# Altium PCB high-spped-thermocouple-logger.PcbDoc (part 2 of 3)
Units mm, origin at the board's own origin, x right, y up, seen from the top; angles counter-clockwise.
Board outline 200 x 200 mm, 4 copper layers (Top Layer, GND Layer, VCC Layer, Bottom Layer), stack 1.55 mm thick; 351 components, 201 nets, 1016 pads, 288 vias.
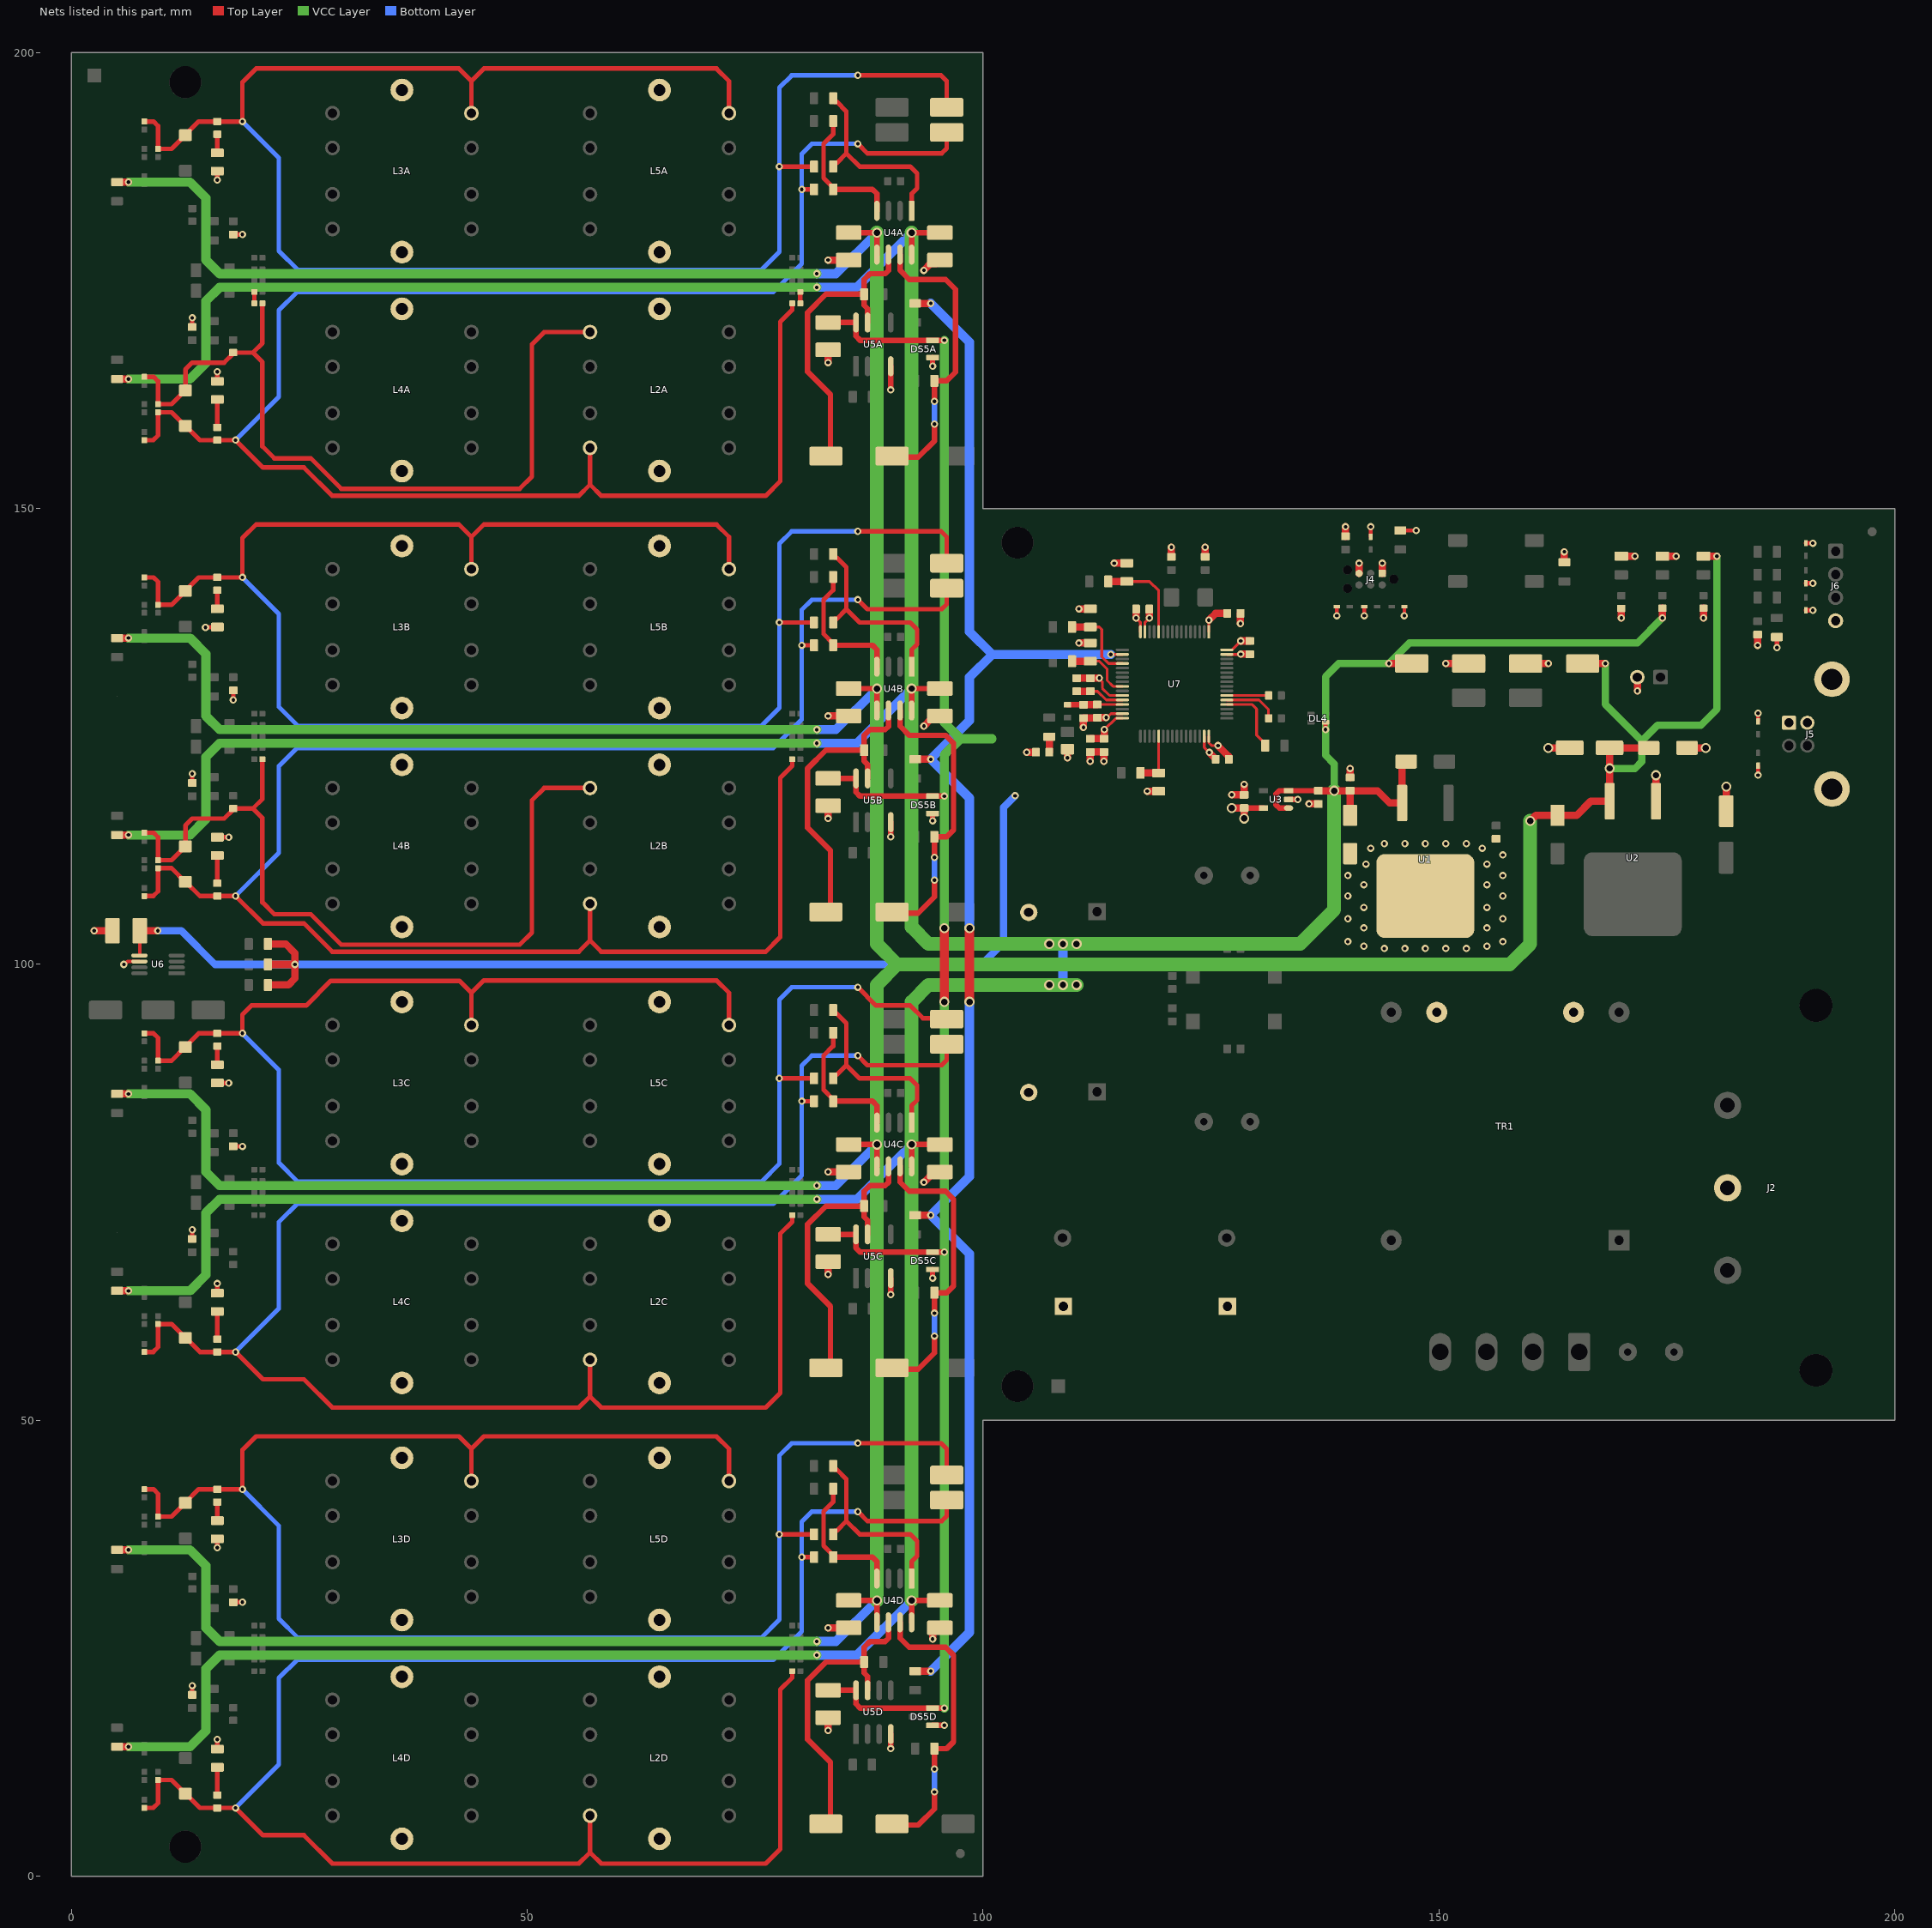
[diagram p4: the nets of this part, all layers, seen from the top]

## Footprints (in the part's own frame and the unit in brackets; to place one, negate y for a bottom-side part, rotate by r counter-clockwise, add the part's x,y. Pads: shape width x height; smd on the part's side, far side on the other; paste and mask are expansions set on the pad) (continued)
TC_PCC-SMD [mm] "SMD universal thermocouple connector"
  round 0.025 smd paste-2539.97 mask+0.102: 1(4.405,0) 2(-4.405,0)
  rect 2.7x1.5 on Top Paste: ""(-5.335,-1) ""(5.335,-1)
  rect 2.7x1.5 on Top Paste mask+0: ""(-5.335,1) ""(5.335,1)
  rect 1.65x1.95 on Top Paste: ""(-4.81,3.225) ""(-4.81,-3.225) ""(-2.66,3.225) ""(-2.66,-3.225) ""(2.66,3.225) ""(2.66,-3.225) ""(4.81,3.225) ""(4.81,-3.225)
  rect 1.65x1.5 on Top Paste: ""(-2.66,1) ""(-2.66,-1) ""(2.66,1) ""(2.66,-1)
  Top Layer region: 1.6,-4.5 1.6,4.5 5.87,4.5 5.87,2.16 7.21,2.16 7.21,-2.16 5.87,-2.16 5.87,-4.5
  Top Layer region: -1.6,-4.5 -1.6,4.5 -5.87,4.5 -5.87,2.16 -7.21,2.16 -7.21,-2.16 -5.87,-2.16 -5.87,-4.5
  Keep-Out Layer board cut-out: 5.7,-1.225 5.7,1.225 5.73,1.378 5.817,1.508 5.947,1.595 6.1,1.625 6.1,1.625 6.3,1.625 6.453,1.595 6.583,1.508 6.67,1.378 6.7,1.225 6.7,1.225 6.7,-1.225 6.67,-1.378 6.583,-1.508 6.453,-1.595 6.3,-1.625 6.3,-1.625 6.1,-1.625 5.947,-1.595 5.817,-1.508 5.73,-1.378 5.7,-1.225
  Keep-Out Layer board cut-out: -6.7,-1.225 -6.7,1.225 -6.67,1.378 -6.583,1.508 -6.453,1.595 -6.3,1.625 -6.3,1.625 -6.1,1.625 -5.947,1.595 -5.817,1.508 -5.73,1.378 -5.7,1.225 -5.7,1.225 -5.7,-1.225 -5.73,-1.378 -5.817,-1.508 -5.947,-1.595 -6.1,-1.625 -6.1,-1.625 -6.3,-1.625 -6.453,-1.595 -6.583,-1.508 -6.67,-1.378 -6.7,-1.225
  Keep-Out Layer board cut-out: -6.09,5.17 -6.09,5.87 -6.06,6.023 -5.973,6.153 -5.843,6.24 -5.69,6.27 -5.69,6.27 -2.49,6.27 -2.337,6.24 -2.207,6.153 -2.12,6.023 -2.09,5.87 -2.09,5.87 -2.09,5.17 -2.12,5.017 -2.207,4.887 -2.337,4.8 -2.49,4.77 -2.49,4.77 -5.69,4.77 -5.843,4.8 -5.973,4.887 -6.06,5.017 -6.09,5.17
  Keep-Out Layer board cut-out: 2.09,5.17 2.09,5.87 2.12,6.023 2.207,6.153 2.337,6.24 2.49,6.27 2.49,6.27 5.69,6.27 5.843,6.24 5.973,6.153 6.06,6.023 6.09,5.87 6.09,5.87 6.09,5.17 6.06,5.017 5.973,4.887 5.843,4.8 5.69,4.77 5.69,4.77 2.49,4.77 2.337,4.8 2.207,4.887 2.12,5.017 2.09,5.17
  body extent -6.6,-5.97 6.6,5.97, height 2.45
TSQFP50P1200X1200X160-64M [mm] "TSQFP, 64-Leads, Body 10,00x10,00mm, Pitch 0,50mm, IPC Low Density"
  rrect20% 1.45x0.3 smd: 1(-5.725,3.75)
  oval 1.45x0.3 smd: 2(-5.725,3.25) 3(-5.725,2.75) 4(-5.725,2.25) 5(-5.725,1.75) 6(-5.725,1.25) 7(-5.725,0.75) 8(-5.725,0.25) 9(-5.725,-0.25) 10(-5.725,-0.75) 11(-5.725,-1.25) 12(-5.725,-1.75) 13(-5.725,-2.25) 14(-5.725,-2.75) 15(-5.725,-3.25) 16(-5.725,-3.75) 33(5.725,-3.75) 34(5.725,-3.25) 35(5.725,-2.75) 36(5.725,-2.25) 37(5.725,-1.75) 38(5.725,-1.25) 39(5.725,-0.75) 40(5.725,-0.25) 41(5.725,0.25) 42(5.725,0.75) 43(5.725,1.25) 44(5.725,1.75) 45(5.725,2.25) 46(5.725,2.75) 47(5.725,3.25) 48(5.725,3.75)
  oval 0.3x1.45 smd: 17(-3.75,-5.725) 18(-3.25,-5.725) 19(-2.75,-5.725) 20(-2.25,-5.725) 21(-1.75,-5.725) 22(-1.25,-5.725) 23(-0.75,-5.725) 24(-0.25,-5.725) 25(0.25,-5.725) 26(0.75,-5.725) 27(1.25,-5.725) 28(1.75,-5.725) 29(2.25,-5.725) 30(2.75,-5.725) 31(3.25,-5.725) 32(3.75,-5.725) 49(3.75,5.725) 50(3.25,5.725) 51(2.75,5.725) 52(2.25,5.725) 53(1.75,5.725) 54(1.25,5.725) 55(0.75,5.725) 56(0.25,5.725) 57(-0.25,5.725) 58(-0.75,5.725) 59(-1.25,5.725) 60(-1.75,5.725) 61(-2.25,5.725) 62(-2.75,5.725) 63(-3.25,5.725) 64(-3.75,5.725)
  silkscreen extent -5.92,-4.6 4.6,4.6, body extent -5,-5 5,5, height 1.6
TXC_7A [mm] "5 x 3.2 mm SMD GLASS CRYSTAL 7A SERIES"
  rrect20% 1.7x2 smd: 1(-1.85,0) 2(1.85,0)
  silkscreen extent -2.5,-1.6 2.5,1.6, body extent -2.58,-1.68 2.58,1.68, height 1.35
USB-B [mm] "USB Shielded I/O Receptacle, Right Angle, Type B"
  rrect20% 1.55x1.55 hole 1: 1(1.25,2.355)
  round 1.55 hole 1: 2(-1.25,2.355) 3(-1.25,0.355) 4(1.25,0.355)
  round 3.9 hole 2.3: SH(-6.02,-2.355) SH(6.02,-2.355)
  silkscreen extent -6.02,0.1 6.02,4.4, body extent -7.43,-12.63 7.43,4.37, height 11.01
WE_150066M173000 [mm]
  rrect20% 0.8x0.5 smd: 1(-0.8,-0.45) 2(-0.8,0.45) 3(0.8,0.45) 4(0.8,-0.45)
  silkscreen extent 1.5,-0.8 1.5,0.8, body extent -0.8,-0.8 0.8,0.8, height 0.42
WE_744235110 [mm]
  rrect20% 1.15x1.55 smd: 1(-1.825,-1.125) 2(1.825,-1.125) 3(1.825,1.125) 4(-1.825,1.125)
  silkscreen extent -2.7,-2.2 2.7,2.2, body extent -2.25,-1.6 2.25,1.6, height 2.81

## Part data
CE1 CE2 CE3 CE4: library part ECE-2200U35VXXM, "C; 2200u; 35V; 20%; Aluminum Electrolytic; ??;", Capacitance_F=0.0022, Dielectric_Type="Aluminum Electrolytic", Manufacturer="SU'SCON: SL035M222J26SR;;SU'SCON: SL035M222J26TKKKS00R", Tolerance_Pct=20, Voltage_Rating_V=35, Component_Class=Capacitor, ComponentLink1Description=Helios, ComponentLink1URL=heliosgreen://v1/hegMT/5-MT/Classes(343)/Folders/OpenForm?RecordNumbers=[380279], ComponentLink2Description=ECE-2200U35VXXM_Su'sconEN100.pdf, ComponentLink2URL=I:\datasheets\ECE-2200U35VXXM_Su'sconEN100.pdf, KK=ECE-2200U35VXXM, SMD=0, Status_I=Production, Status_II=Active
CE5: library part ECE+47U35VXX0, "C; 47u; 35V; 20%; Aluminum Electrolytic; ??;", Capacitance_F=4.7E-5, Dielectric_Type="Aluminum Electrolytic", Manufacturer="Surge, MPN: SVZ21V470M0605V1", Tolerance_Pct=20, Voltage_Rating_V=35, Component_Class=Capacitor, ComponentLink1Description=Helios, ComponentLink1URL=heliosgreen://v1/hegMT/5-MT/Classes(343)/Folders/OpenForm?RecordNumbers=[18329439], ComponentLink2Description=ECE+47U35VXX0_SurgeEN100.pdf, ComponentLink2URL=I:\DataSheets\ECE+47U35VXX0_SurgeEN100.pdf, KK=ECE+47U35VXX0, SMD=1, Status_I=Production, Status_II=Active
CE6: library part ECE+10U35VXXM, "C; 10u; 35V; 20%; Aluminum Electrolytic; ??;", Capacitance_F=1E-5, Dielectric_Type="Aluminum Electrolytic", Manufacturer="SAMWHA: SC1V106M05005VR259;;SAMWHA: SC1V106M05005VR289", Resistance_Ohm=20, Voltage_Rating_V=35, Component_Class=Capacitor, ComponentLink1Description=Helios, ComponentLink1URL=heliosgreen://v1/hegMT/5-MT/Classes(343)/Folders/OpenForm?RecordNumbers=[380259], ComponentLink2Description=ECE+10U35VXXM_Nippon.pdf, ComponentLink2URL=i:\datasheets\ECE+10U35VXXM_Nippon.pdf, ComponentLink3Description=ECE+10U35VXXM_Jamicon.pdf, ComponentLink3URL=i:\datasheets\ECE+10U35VXXM_Jamicon.pdf, ComponentLink4Description=ECE+10U35VXXM_Panasonic_serie_ECEV.pdf, ComponentLink4URL=i:\datasheets\ECE+10U35VXXM_Panasonic_serie_ECEV.pdf, ComponentLink5Description=ECE+10U35VXXM_Shamwha.pdf, ComponentLink5URL=i:\DataSheets\ECE+10U35VXXM_Shamwha.pdf, ComponentLink6Description=ECE+10U35VXXM-a.jpg, ComponentLink6URL=i:\DataSheets\SMD_parts_pictures\ECE+10U35VXXM-a.jpg, ComponentLink7Description=ECE+10U35VXXM-b.jpg, ComponentLink7URL=i:\DataSheets\SMD_parts_pictures\ECE+10U35VXXM-b.jpg, ComponentLink8Description=ECE+10U35VXXM-c.jpg, ComponentLink8URL=i:\DataSheets\SMD_parts_pictures\ECE+10U35VXXM-c.jpg, KK=ECE+10U35VXXM, SMD=1, Status_I=Production, Status_II=Active, Tolerance_Pct=20
CK1 CK2 CK5 CK6 CK21: library part ECK+10N50V0603XX0, "C; 10n; 50V; 5%; NP0/C0G; ??;", Capacitance_F=1E-8, Dielectric_Type=NP0/C0G, Manufacturer="TDK: C1608C0G1H103J080AA", Tolerance_Pct=5, Voltage_Rating_V=50, Component_Class=Capacitor, ComponentLink1Description=Helios, ComponentLink1URL=heliosgreen://v1/hegMT/5-MT/Classes(343)/Folders/OpenForm?RecordNumbers=[12587254], ComponentLink2Description=ECK+10N50V0603XX0_TdkEN100.pdf, ComponentLink2URL=I:\DataSheets\ECK+10N50V0603XX0_TdkEN100.pdf, KK=ECK+10N50V0603XX0, SMD=1, Status_I=Production, Status_II="Do not order. Upon confirmation."
CK3: library part ECK+470N50V0603XXK, "C; 470n; 50V; 10%; X7R; ??;", Capacitance_F=4.7E-7, Dielectric_Type=X7R, Manufacturer="TDK: C1608X7R1H474KT-S;;TDK: C1608X7R1H474KT000E;;TDK: C1608X7R1H474K080AC", Tolerance_Pct=10, Voltage_Rating_V=50, Component_Class=Capacitor, ComponentLink1Description=Helios, ComponentLink1URL=heliosgreen://v1/hegMT/5-MT/Classes(343)/Folders/OpenForm?RecordNumbers=[6094421], ComponentLink2Description=ECK+470N50V0603XXK_TDKEN100.pdf, ComponentLink2URL=i:\datasheets\ECK+470N50V0603XXK_TDKEN100.pdf, KK=ECK+470N50V0603XXK, Note="X7R: 440n @ 5V, 330n @ 12V, 170n @ 25V (TDK)", SMD=1, Status_I=Production, Status_II=Active
CK4 CK18 CK25 CK26 CK27 CK28 CK29 CK30: library part ECK+100N100VXX0, "C; 100n; 100V; 10%; X7R; ??;", Capacitance_F=1E-7, Dielectric_Type=X7R, Manufacturer="Murata Electronics: GRM188R72A104KA35D;;Yageo: CC0603KRX7R0BB104", Tolerance_Pct=10, Voltage_Rating_V=100, Component_Class=Capacitor, ComponentLink1Description=Helios, ComponentLink1URL=heliosgreen://v1/hegMT/5-MT/Classes(343)/Folders/OpenForm?RecordNumbers=[10556034], ComponentLink2Description=ECK+100N100VXX0_MurataEN100.pdf, ComponentLink2URL=I:\DataSheets\ECK+100N100VXX0_MurataEN100.pdf, ComponentLink3Description=ECK+100N100VXX0_YageoEN100.pdf, ComponentLink3URL=I:\DataSheets\ECK+100N100VXX0_YageoEN100.pdf, ComponentLink4Description=ECK+100N100VXX0_2_MurataEN100.pdf, ComponentLink4URL=i:\DataSheets\ECK+100N100VXX0_2_MurataEN100.pdf, ComponentLink5Description=ECK+100N100VXX0_2_YageoEN100.pdf, ComponentLink5URL=i:\DataSheets\ECK+100N100VXX0_2_YageoEN100.pdf, KK=ECK+100N100VXX0, SMD=1, Status_I=Production, Status_II=Active
CK7 CK8 CK22 CK23 CK31: library part ECK+1U50VXX0, "C; 1u; 50V; 10%; X5R; ??;", Capacitance_F=1E-6, Dielectric_Type=X5R, Manufacturer="TDK: C1608X5R1H105K080AB;;TDK: CGA3E3X5R1H105K080AB;;Murata: GRT188R61H105KE13D;;AVX: 06035D105KAT2A", Tolerance_Pct=10, Voltage_Rating_V=50, Component_Class=Capacitor, ComponentLink1Description=Helios, ComponentLink1URL=heliosgreen://v1/hegMT/5-MT/Classes(343)/Folders/OpenForm?RecordNumbers=[9390428], ComponentLink2Description=ECK+1U50VXX0_TDKEN100.pdf, ComponentLink2URL=i:\DataSheets\ECK+1U50VXX0_TDKEN100.pdf, ComponentLink3Description=ECK+1U50VXX0_AVX_EN100.pdf, ComponentLink3URL=I:\DataSheets\ECK+1U50VXX0_AVX_EN100.pdf, ComponentLink4Description=ECK+1U50VXX0_MurataEN100.pdf, ComponentLink4URL=I:\DataSheets\ECK+1U50VXX0_MurataEN100.pdf, ComponentLink5Description=ECK+1U50VXX0_TDK_EN101.pdf, ComponentLink5URL=I:\DataSheets\ECK+1U50VXX0_TDK_EN101.pdf, ComponentLink6Description=ECK+1U50VXX0_2_AVX_EN100.pdf, ComponentLink6URL=i:\DataSheets\ECK+1U50VXX0_2_AVX_EN100.pdf, KK=ECK+1U50VXX0, Note="X5R: 0.52uF @ 10V, 0.2uF @ 25V (Murata)", SMD=1, Status_I=Production, Status_II=Active
CK9A CK9B CK9C CK9D CK10A CK10B CK10C CK10D: library part ECK+220N16VXX0, "C; 220n; 16V; 10%; X7R; ??;", Capacitance_F=2.2E-7, Dielectric_Type=X7R, Manufacturer="TDK Corporation: C1608X7R1C224K080AC;;AVX Corporation: 0603YC224KAT2A;;Samsung: CL10B224KO8NNNC", Tolerance_Pct=10, Voltage_Rating_V=16, Component_Class=Capacitor, ComponentLink1Description=Helios, ComponentLink1URL=heliosgreen://v1/hegMT/5-MT/Classes(343)/Folders/OpenForm?RecordNumbers=[9390379], ComponentLink2Description=ECK+220N16VXX0_TDKEN100.pdf, ComponentLink2URL=i:\DataSheets\ECK+220N16VXX0_TDKEN100.pdf, ComponentLink3Description=ECK+220N16VXX0_AVXCorporationEN100.pdf, ComponentLink3URL=I:\DataSheets\ECK+220N16VXX0_AVXCorporationEN100.pdf, ComponentLink4Description=ECK+220N16VXX0_SamsungEN100.pdf, ComponentLink4URL=I:\DataSheets\ECK+220N16VXX0_SamsungEN100.pdf, ComponentLink5Description=ECK+220N16VXX0_2_SamsungEN100.pdf, ComponentLink5URL=i:\DataSheets\ECK+220N16VXX0_2_SamsungEN100.pdf, KK=ECK+220N16VXX0, SMD=1, Status_I=Production, Status_II=Active
CK11A CK11B CK11C CK11D CK12A CK12B CK12C CK12D: library part ECK+1N50VXXJ, "C; 1n; 50V; 5%; NP0/C0G; ??;", Capacitance_F=1E-9, Dielectric_Type=NP0/C0G, Manufacturer="YAGEO: CC0805JRNPO9BN102;;AVX: 0805 5A 102 JAT2A", Tolerance_Pct=5, Voltage_Rating_V=50, Component_Class=Capacitor, ComponentLink1Description=Helios, ComponentLink1URL=heliosgreen://v1/hegMT/5-MT/Classes(343)/Folders/OpenForm?RecordNumbers=[380366], ComponentLink2Description=ECK+1N50VXXJ_Yageo.pdf, ComponentLink2URL=i:\datasheets\ECK+1N50VXXJ_Yageo.pdf, ComponentLink3Description=ECK+1N50VXXJ_2_YageoEN100.pdf, ComponentLink3URL=i:\DataSheets\ECK+1N50VXXJ_2_YageoEN100.pdf, ComponentLink4Description=ECK+1N50VXXJ_AVX_EN100.pdf, ComponentLink4URL=i:\DataSheets\ECK+1N50VXXJ_AVX_EN100.pdf, KK=ECK+1N50VXXJ, SMD=1, Status_I=Production, Status_II=Active
CK13A CK13B CK13C CK13D CK14A CK14B CK14C CK14D CK15A CK15B CK15C CK15D CK17: library part ECK+10U50VXX0, "C; 10u; 50V; 10%; X7R; ??;", Capacitance_F=1E-5, Dielectric_Type=X7R, Manufacturer="Murata: GRM32ER71H106KA12L;;Samsung Electro-mechanics: CL32B106KBJNNNE", Tolerance_Pct=10, Voltage_Rating_V=50, Component_Class=Capacitor, ComponentLink1Description=Helios, ComponentLink1URL=heliosgreen://v1/hegMT/5-MT/Classes(343)/Folders/OpenForm?RecordNumbers=[10658879], ComponentLink2Description=ECK+10U50VXX0_MurataEN100.pdf, ComponentLink2URL=I:\DataSheets\ECK+10U50VXX0_MurataEN100.pdf, ComponentLink3Description=ECK+10U50VXX0_SamsungEN100.pdf, ComponentLink3URL=I:\DataSheets\ECK+10U50VXX0_SamsungEN100.pdf, KK=ECK+10U50VXX0, Note="X7R, 9uF @ 10V, 5uF @ 30V, 2.5uF @ 50V", SMD=1, Status_I=Production, Status_II=Active
CK16A CK16B CK16C CK16D: library part ECK+220P50VXXJ, "C; 220p; 50V; 5%; NP0/C0G; ??;", Capacitance_F=2.2E-10, Dielectric_Type=NP0/C0G, Manufacturer="SAMSUNG EM: CL21C221JBANNNC;;VISHAY: VJ0805A221JXACW1BC 220pF 50V 5%", Tolerance_Pct=5, Voltage_Rating_V=50, Component_Class=Capacitor, ComponentLink1Description=Helios, ComponentLink1URL=heliosgreen://v1/hegMT/5-MT/Classes(343)/Folders/OpenForm?RecordNumbers=[380369], ComponentLink2Description=ECK+1N50VXXJ_Yageo.pdf, ComponentLink2URL=i:\datasheets\ECK+1N50VXXJ_Yageo.pdf, ComponentLink3Description=ECK+220P50VXXJ_SamsungEmEN100, ComponentLink3URL=i:\DataSheets\ECK+220P50VXXJ_SamsungEmEN100.pdf, ComponentLink4Description=ECK+220P50VXXJ_VishayEN100, ComponentLink4URL=i:\DataSheets\ECK+220P50VXXJ_VishayEN100.pdf, ComponentLink5Description=ECK+220P50VXXJ_2_SamsungEN100.pdf, ComponentLink5URL=i:\DataSheets\ECK+220P50VXXJ_2_SamsungEN100.pdf, KK=ECK+220P50VXXJ, SMD=1, Status_I=Production, Status_II=Active
CK19 CK20: library part ECK+15P25VXX0, "C; 15p; 25V; 5%; NP0/C0G; ??;", Capacitance_F=1.5E-11, Dielectric_Type=NP0/C0G, Manufacturer="Samsung: CL10C150JB81PNC", Tolerance_Pct=5, Voltage_Rating_V=25, Component_Class=Capacitor, ComponentLink1Description=Helios, ComponentLink1URL=heliosgreen://v1/hegMT/5-MT/Classes(343)/Folders/OpenForm?RecordNumbers=[10889343], ComponentLink2Description=ECK+15P25VXX0_SamsungEN101.pdf, ComponentLink2URL=I:\DataSheets\ECK+15P25VXX0_SamsungEN101.pdf, ComponentLink3Description=ECK+15P25VXX0_2_SamsungEN101.pdf, ComponentLink3URL=i:\DataSheets\ECK+15P25VXX0_2_SamsungEN101.pdf, KK=ECK+15P25VXX0, SMD=1, Status_I=Production, Status_II=Active
CK24: library part ECK+4U725VXX0, "C; 4u7; 25V; 20%; X5R; ??;", Capacitance_F=4.7E-6, Dielectric_Type=X5R, Manufacturer="TDK Corporation: C1608X5R1E475M080AC", Tolerance_Pct=20, Voltage_Rating_V=25, Component_Class=Capacitor, ComponentLink1Description=Helios, ComponentLink1URL=heliosgreen://v1/hegMT/5-MT/Classes(343)/Folders/OpenForm?RecordNumbers=[8599163], ComponentLink2Description="ECK+4U725VXX0_TDK CorporationEN100.pdf", ComponentLink2URL="I:\DataSheets\ECK+4U725VXX0_TDK CorporationEN100.pdf", KK=ECK+4U725VXX0, Note="X5R, 1.2uF @ 10V, 2.6uF @ 5V, 3.6uF @ 3.3V", SMD=1, Status_I=Production, Status_II=Active
CK32A CK32B CK32C CK32D CK32E CK32F CK32G CK32H CK33A CK33B CK33C CK33D CK33E CK33F CK33G CK33H CK34A CK34B CK34C CK34D CK34E CK34F CK34G CK34H CK35A CK35B CK35C CK35D CK35E CK35F CK35G CK35H CK37A CK37B CK37C CK37D CK37E CK37F CK37G CK37H CK38A CK38B CK38C CK38D CK38E CK38F CK38G CK38H CK40A CK40B CK40C CK40D CK40E CK40F CK40G CK40H: library part ECK+470P50V0402XX0, "C; 470p; 50V; 1%; NP0/C0G; ??;", Capacitance_F=4.7E-10, Dielectric_Type=NP0/C0G, Manufacturer="Kemet: C0402C471F5GAC7867;;Murata: GRM1555C1H471FA01D", Tolerance_Pct=1, Voltage_Rating_V=50, Component_Class=Capacitor, ComponentLink1Description=Helios, ComponentLink1URL=heliosgreen://v1/hegMT/5-MT/Classes(343)/Folders/OpenForm?RecordNumbers=[14965054], ComponentLink2Description=ECK+470P50V0402XX0_KemetEN100.pdf, ComponentLink2URL=I:\DataSheets\ECK+470P50V0402XX0_KemetEN100.pdf, ComponentLink3Description=ECK+470P50V0402XX0_MurataEN100.pdf, ComponentLink3URL=I:\DataSheets\ECK+470P50V0402XX0_MurataEN100.pdf, ComponentLink4Description=ECK+470P50V0402XX0_2_KemetEN100.pdf, ComponentLink4URL=i:\DataSheets\ECK+470P50V0402XX0_2_KemetEN100.pdf, ComponentLink5Description=ECK+470P50V0402XX0_2_MurataEN100.pdf, ComponentLink5URL=i:\DataSheets\ECK+470P50V0402XX0_2_MurataEN100.pdf, KK=ECK+470P50V0402XX0, SMD=1, Status_I=Production, Status_II=Active
CK36A CK36B CK36C CK36D CK36E CK36F CK36G CK36H CK39A CK39B CK39C CK39D CK39E CK39F CK39G CK39H: library part ECK+220P50V0402XX0, "C; 220p; 50V; 1%; NP0/C0G; ??;", Capacitance_F=2.2E-10, Dielectric_Type=NP0/C0G, Manufacturer="YAGEO: CC0402FRNPO9BN221", Tolerance_Pct=1, Voltage_Rating_V=50, Component_Class=Capacitor, ComponentLink1Description=Helios, ComponentLink1URL=heliosgreen://v1/hegMT/5-MT/Classes(343)/Folders/OpenForm?RecordNumbers=[15269853], ComponentLink2Description=ECK+220P50V0402XX0_YAGEO_NP0_EN100.pdf, ComponentLink2URL=I:\DataSheets\ECK+220P50V0402XX0_YAGEO_NP0_EN100.pdf, ComponentLink3Description=ECK+220P50V0402XX0_2_YageoEN100.pdf, ComponentLink3URL=i:\DataSheets\ECK+220P50V0402XX0_2_YageoEN100.pdf, KK=ECK+220P50V0402XX0, SMD=1, Status_I=Production, Status_II=Active
CK41: library part ECK+100N50V0603XXK, "C; 100n; 50V; 10%; X7R; ??;", Capacitance_F=1E-7, Dielectric_Type=X7R, Manufacturer="SAMSUNG EM: CL10B104KB8NNNC;;SAMSUNG EM: CL10B104KB8NNNO;;SAMSUNG EM: CL10B104KB8NNND", Tolerance_Pct=10, Voltage_Rating_V=50, Component_Class=Capacitor, ComponentLink1Description=Helios, ComponentLink1URL=heliosgreen://v1/hegMT/5-MT/Classes(343)/Folders/OpenForm?RecordNumbers=[6094397], ComponentLink2Description=ECK+100N50V0603XXK_SamsungEN100.pdf, ComponentLink2URL=i:\datasheets\ECK+100N50V0603XXK_SamsungEN100.pdf, ComponentLink3Description=ECK+100N50V0603XXK_Samsung_2EN100.pdf.pd, ComponentLink3URL=I:\datasheets\ECK+100N50V0603XXK_Samsung_2EN100.pdf.pdf, KK=ECK+100N50V0603XXK, SMD=1, Status_I=Production, Status_II=Active